# KiCad board Soldered Inkplate 6.kicad_pcb (continued)
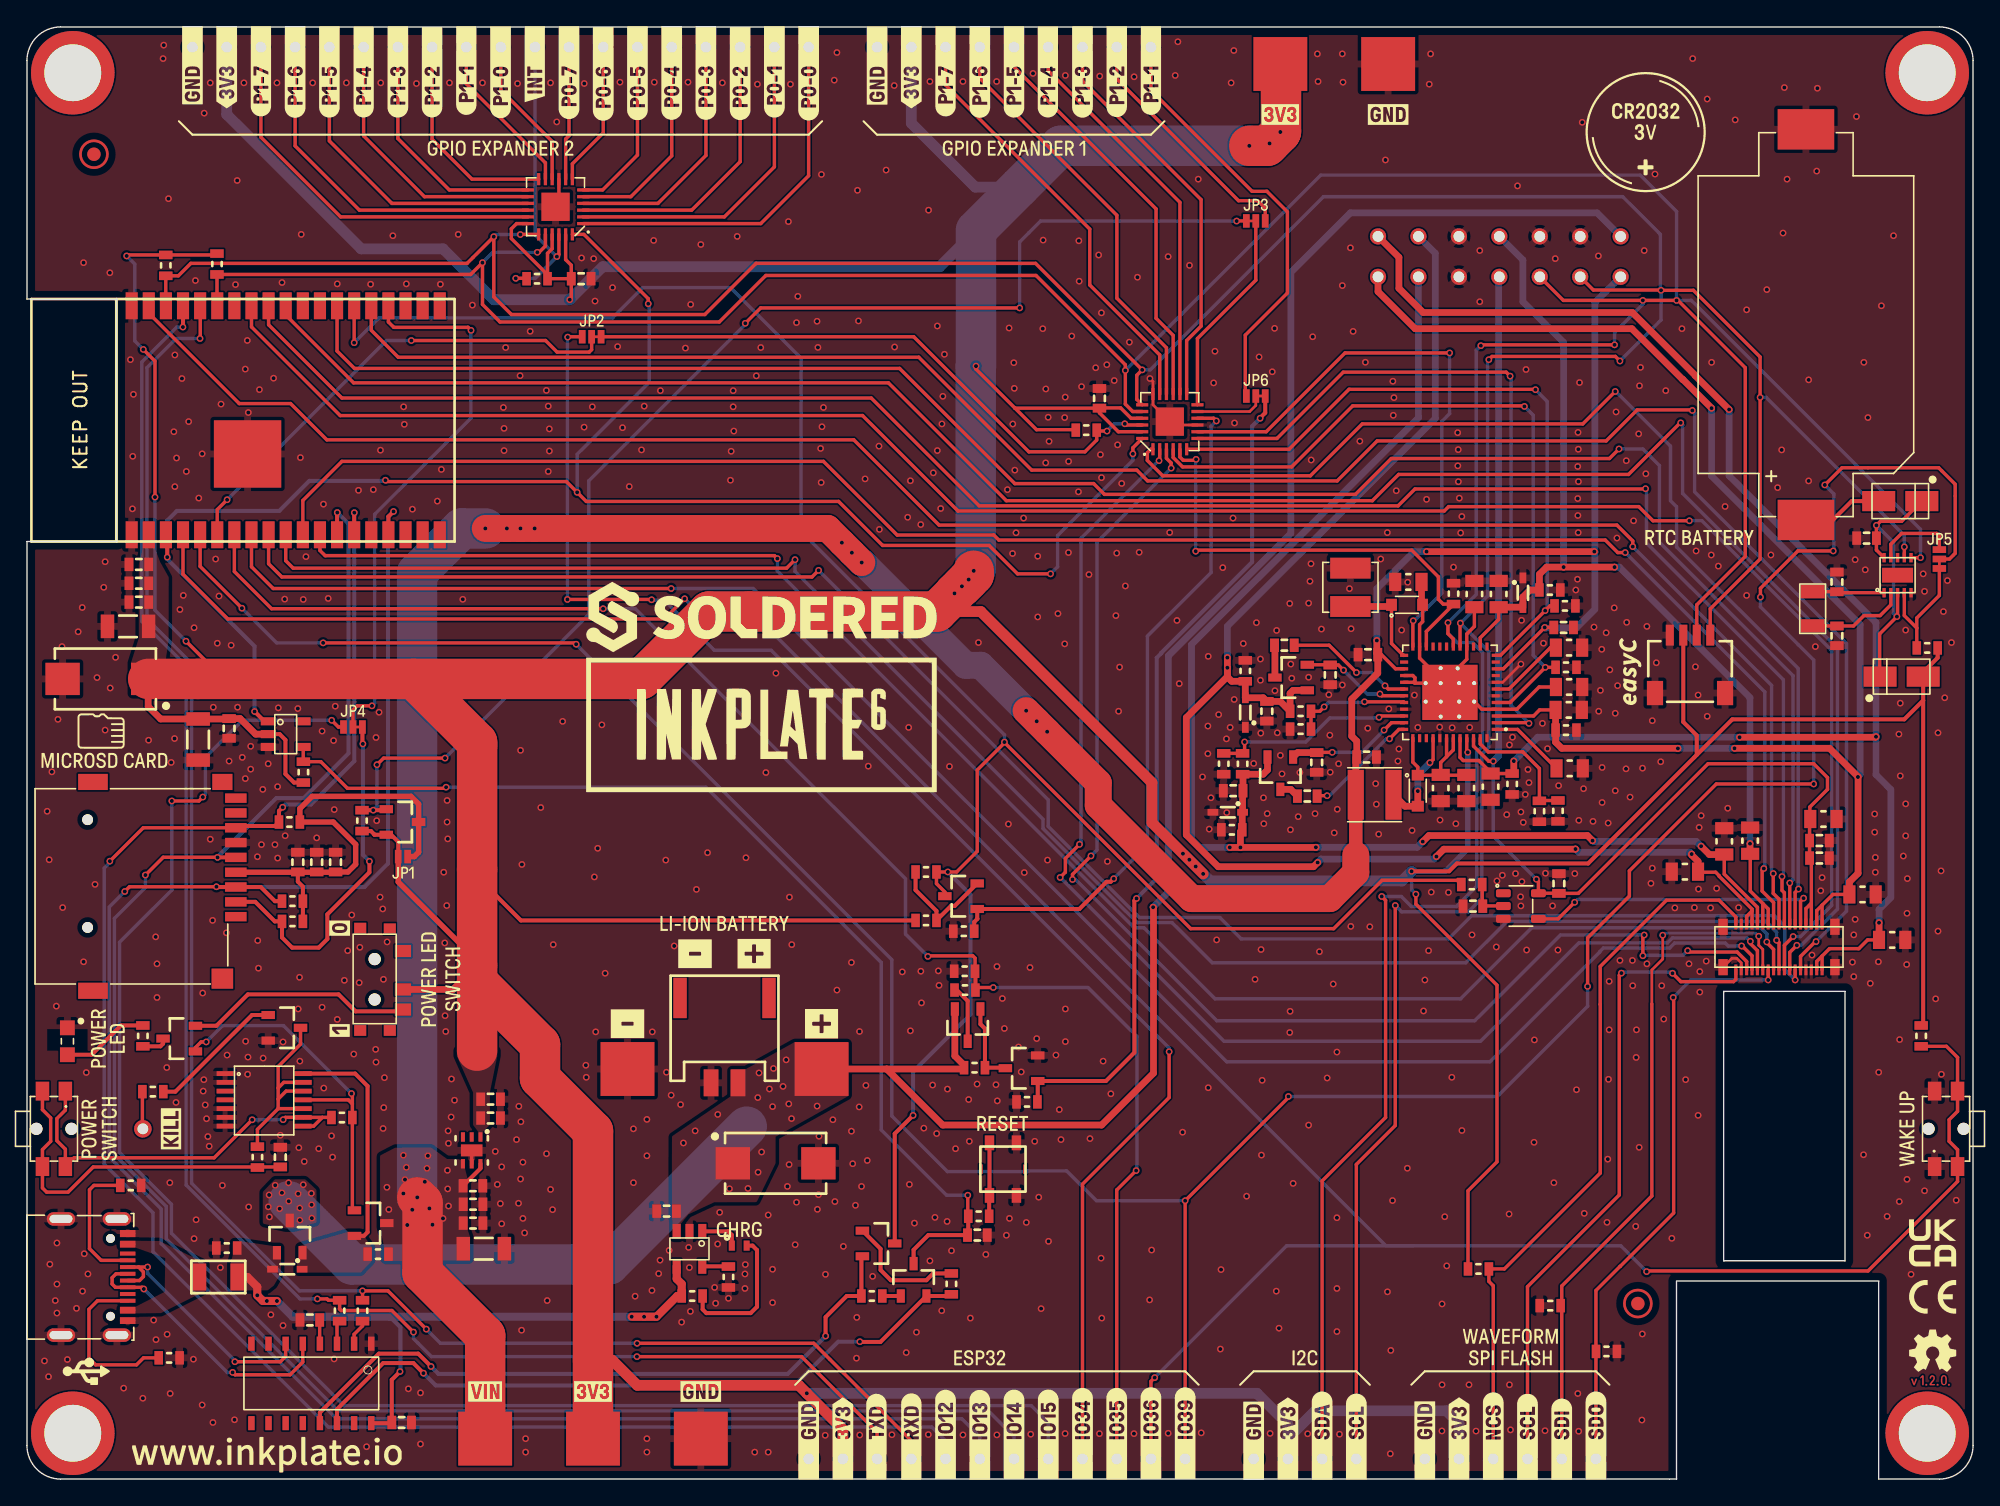
[diagram p0: board, top side]
## Routing (per net, layer and track width the routed paths; a pad name or vN(x,y) marks a point on that pad's centre or on a via; arc(x,y) is an arc through that point) (continued)
/CTRL & COMS/CH_RXD: length 1.8
  Top w0.254: U5.3 23,11.53 R23.1
/CTRL & COMS/CH_TXD: length 1.9
  Top w0.254: 24.28,10.05 24.28,10.75 24.9,11.37 R24.1
/CTRL & COMS/DTR: length 49.6
  Top w0.3: v1(59.26,10.62) 59.26,12.02 60.83,13.59 61.92,13.59 61.92,16.47 Q7.2 ; U5.13 21.73,4.94 26.11,9.31 29.03,9.31 v1(29.98,8.36)
  Bottom w0.3: v1(59.26,10.62) 56.45,7.81 30.53,7.81 v1(29.98,8.36)
/CTRL & COMS/RTS: length 51.5
  Top w0.3: v1(61.8,10.2) 61.82,10.18 63.33,10.18 Q5.2 68.47,13.59 R22.2 ; v1(29.42,7.86) 28.67,8.61 26.43,8.61 23,5.19 U5.14
  Bottom w0.3: v1(61.8,10.2) 60.2,10.2 56.95,6.95 30.33,6.95 v1(29.42,7.86)
/MCU/GPB_3: length 29.8
  Top w0.254: U8.13 86.05,84.52 87.12,85.59 87.12,94.98 78.32,103.78 K19.1
/MCU/GPB_4: length 29.8
  Top w0.254: U8.14 85.55,94.78 75.78,104.55 K23.1
/MCU/GPB_5: length 30.6
  Top w0.254: U8.15 85.05,84.9 83.78,86.17 83.78,94.29 73.24,104.83 K24.1
/MCU/GPB_6: length 31.5
  Top w0.254: K31.1 70.7,103.99 80.87,93.82 80.87,87.66 84.55,83.98 U8.16
/MCU/GPB_7: length 32.3
  Top w0.254: U8.17 84.05,83.45 78.86,88.64 78.86,92.79 68.16,103.49 K32.1
/MCU/INTB: length 45.1
  Top w0.254: v1(81.46,78.34) 81.55,78.25 U8.22 ; v1(80.14,77.8) 79.44,77.8 R45.2 79.38,77.14 78.5,76.26 74.34,76.26 65.8,84.8 JP2.1
  Bottom w0.254: v1(81.46,78.34) 80.68,78.34 v1(80.14,77.8)
/POWER/INT_LDO: length 5.7
  Top w0.254: C4.2 113.04,61.72 109.97,58.65 U1.7
/POWER/TS: length 9.4
  Top w0.254: U1.47 107.84,54.57 108.43,53.98 110.99,53.98 112.22,52.75 R3.2 112.25,50.38 R2.2
/POWER/VB: length 11
  Top w0.254: 105.34,53.62 104.9,53.19 104.9,52.28 ; 105.34,53.62 105.84,54.12 U1.43 ; 105.34,53.62 U1.42 ; U1.37 102.84,53.22 103.2,52.85 D3.1 106.78,52.25 106.8,52.28
/POWER/VB_SW: length 7.7
  Top w0.254: v1(104.1,53.18) 104.34,53.42 U1.40
  Top w0.5: v1(103.2,51.07) D3.2 102.25,49.95 L2.2
  Bottom w0.5: v1(104.1,53.18) 103.2,52.28 v1(103.2,51.07)
/POWER/VN: length 22.6
  Top w0.254: D1.2 103.56,64.89 103.56,63.65 103.34,63.42 U1.23 103.34,60.94 104.08,60.2 U1.49 ; C3.2 112.2,58.8 110.55,57.15 U1.4 107.95,57.15 107.38,57.72 ; 102.91,59.15 102.97,59.08 103.78,59.08 ; 102.91,59.15 102.99,59.23 102.99,59.49 102.83,59.65 U1.28 ; 102.91,59.15 U1.29 ; 107.4,64.72 107.4,63.3 106.84,62.73 U1.16 106.84,60.86 U1.49
  Top w0.5: C9.1 103.47,64.97 D1.2
/POWER/VN_SW: length 7.3
  Top w0.254: U1.25 102.13,61.15 101.25,62.03 D1.1
  Top w0.5: D1.1 101.12,64.78 L1.2
/POWER/VREF: length 5.7
  Top w0.254: C1.2 110.6,55.65 U1.1
/SD_RTC_GPIO/CLKOUT_RTC: length 6
  Top w0.254: JP5.3 141.9,70 141.7,70.2 139.1,70.2 138.3,69.4 U10.9
/SD_RTC_GPIO/X1: length 5.3
  Top w0.254: X1.1 134.29,65.88 C40.2 134.37,65.8 U10.1
/SD_RTC_GPIO/X2: length 7.4
  Top w0.254: X1.2 C41.2 135.53,63.33 136.3,64.1 137.5,64.1 138.3,64.9 U10.2
D+: length 20.4
  Top w0.254: U5.5 20.47,8.69 19.52,7.74 15.44,7.74 v1(15.26,7.92) ; K3.A6 6.61,15.24 6.32,14.95 6.32,14.48 6.56,14.24 K3.B6 8.54,14.24 v1(8.67,14.11)
  Bottom w0.254: v1(8.67,14.11) 14.87,7.91 15.25,7.91 v1(15.26,7.92)
D-: length 18.2
  Top w0.254: U5.6 19.19,9.1 18.8,8.71 v1(15.43,8.71) ; 8.28,15.74 8.29,15.74 v1(8.95,15.74) ; 8.28,15.74 8.64,15.38 8.64,15.03 8.35,14.74 K3.A7 ; 8.28,15.74 K3.B7
  Bottom w0.254: v1(8.95,15.74) 8.95,15.27 15.43,8.79 v1(15.43,8.71)
EPD_CKV: length 134
  Top w0.254: v1(47.8,66.11) 18.27,66.11 16.66,67.72 U12.8 ; K15.28 128,38.85 127.4,39.45 127.22,39.45
  Bottom w0.254: v1(127.22,39.58) 126.24,39.58 126.02,39.79 122.25,39.79 121.89,39.42 116.97,39.42 116.7,39.15 116.7,39.12 108.55,30.97 89.03,30.97 53.89,66.11 v1(47.8,66.11)
EPD_CL: length 22.3
  Top w0.254: v1(114.84,42.82) 113.61,41.59 U7.4 ; K15.9 131.6,42.9 v1(131.82,43.12)
  Bottom w0.254: v1(114.84,42.82) 115.04,43.03 131.72,43.03 v1(131.82,43.12)
EPD_D0: length 146
  Top w0.254: v1(130.8,44.25) K15.13 ; v1(118.13,76.47) 117.42,75.76 101.23,75.76 98.57,73.1 79.95,73.1 79.15,73.9 73.3,73.9 64.75,82.45 24.3,82.45 23.01,83.74 U12.26
  Bottom w0.254: v1(118.13,76.47) 119.9,76.47 121.13,75.24 121.13,69.55 131.04,59.64 131.04,44.49 v1(130.8,44.25)
EPD_D1: length 159.4
  Top w0.254: v1(131.32,39.62) 130.8,39.1 K15.14 ; v1(122.71,78.41) 122.67,78.41 118.84,74.58 101.78,74.58 99.83,72.63 72.67,72.63 63.92,81.38 24.23,81.38 19.2,86.41 U12.29
  Bottom w0.254: v1(131.32,39.62) 131.65,39.62 134.34,42.31 134.34,61.68 122.85,73.17 122.85,78.27 v1(122.71,78.41)
EPD_D2: length 146.3
  Top w0.254: K15.15 130.4,43.53 130.22,43.7 v1(130.22,44.72) ; U12.30 17.93,85.69 23.37,80.25 62.65,80.25 70.65,72.25 101.74,72.25 102.99,73.5 120.08,73.5 v1(120.1,73.52)
  Bottom w0.254: v1(130.22,44.72) 130.32,44.83 130.32,59.33 120.17,69.49 120.17,73.45 v1(120.1,73.52)
EPD_D3: length 154.5
  Top w0.254: U12.31 16.66,85.53 23.24,78.95 62,78.95 69.08,71.87 105.17,71.87 105.49,72.19 119.6,72.19 120.65,71.14 v1(123.35,71.14) ; K15.16 130.4,39.62 v1(131.05,40.28)
  Bottom w0.254: v1(123.35,71.14) 123.36,71.15 124.27,71.15 133.91,61.51 133.91,42.58 131.6,40.28 v1(131.05,40.28)
EPD_D4: length 150.6
  Top w0.254: v1(119.15,69.22) 119.15,69.64 117.97,70.82 67.68,70.82 61.35,77.15 22.25,77.15 19.56,79.84 15.75,79.84 9.04,86.55 U12.37 ; v1(129.57,44.95) 129.57,43.47 130,43.05 K15.17
  Bottom w0.254: v1(129.57,44.95) 129.45,45.08 129.45,58.92 v1(119.15,69.22)
EPD_D5: length 130.8
  Top w0.254: K15.18 130,39.83 v1(129.82,40) ; v1(56.99,68.25) 56.36,67.62 19.75,67.62 19.2,68.17 U12.10
  Bottom w0.254: v1(56.99,68.25) 56.99,67.39 75.39,48.98 75.39,48.29 82.37,41.31 84.97,41.31 87.95,38.33 106.75,38.33 109.82,41.4 129.03,41.4 129.82,40.6 v1(129.82,40)
EPD_D6: length 137
  Top w0.254: K15.19 129.6,42.8 128.75,43.65 128.75,45.2 v1(128.88,45.33) ; v1(118.59,68.78) 118.04,68.78 117.11,69.71 72.11,69.71 71.74,70.08 64.57,70.08 59.1,75.55 23.38,75.55 20.47,72.64 U12.11
  Bottom w0.254: v1(118.59,68.78) 118.6,68.78 128.95,58.43 128.95,45.4 v1(128.88,45.33)
EPD_D7: length 128.1
  Top w0.254: U12.12 21.74,68.94 22.12,68.55 55.46,68.55 v1(55.68,68.33) ; v1(129.1,39.88) 129.1,39.83 129.6,39.33 K15.20
  Bottom w0.254: v1(55.68,68.33) 55.68,67.41 82.16,40.93 82.88,40.93 88.16,35.65 106.38,35.65 111.65,40.93 128.65,40.93 129.1,40.47 v1(129.1,39.88)
EPD_GMODE: length 96.7
  Top w0.254: v1(76.66,44.66) 77.05,45.05 77.05,46.07 v1(78.1,47.12) ; v1(84,75.6) 84.05,75.65 U8.2 ; K15.26 128.4,39.22 127.88,39.75 v1(127.88,39.92)
  Bottom w0.254: v1(78.1,47.12) 78.21,47.23 78.21,69.83 83.97,75.6 v1(84,75.6) ; v1(127.88,39.92) 127.63,40.17 122.1,40.17 121.73,39.8 115.15,39.8 107.85,32.5 88.82,32.5 76.66,44.66 v1(76.66,44.66)
EPD_LE: length 154.4
  Top w0.254: v1(132.75,39.9) 132.7,39.9 131.6,38.8 K15.10 ; v1(123.57,79.33) 123.53,79.37 119.48,79.37 117.18,77.07 100.19,77.07 97.22,74.1 83.15,74.1 82.35,74.9 74.55,74.9 66.17,83.28 27.55,83.28 25.55,85.28 U12.24
  Bottom w0.254: v1(132.75,39.9) 135.01,42.16 135.01,62.02 123.74,73.29 123.74,79.16 v1(123.57,79.33)
EPD_OE: length 84.2
  Top w0.254: v1(117.85,80.74) 115.44,78.33 99.08,78.33 95.23,74.48 84.27,74.48 83.13,75.62 83.13,76.19 83.39,76.45 U8.1 ; K15.11 131.2,43.55 v1(131.45,43.8)
  Bottom w0.254: v1(117.85,80.74) 117.89,80.74 121.95,76.68 121.95,72.63 122.4,72.18 122.4,69.2 131.43,60.17 131.43,43.83 v1(131.45,43.8)
EPD_SPH: length 133.9
  Top w0.254: v1(58.74,67.46) 58.25,66.97 18.91,66.97 17.93,67.95 U12.9 ; v1(131.2,37.05) K15.12
  Bottom w0.254: v1(131.2,37.05) 130.43,37.82 130.43,41.05 129.65,41.83 107.2,41.83 105.48,40.1 90.1,40.1 88.51,41.69 82.53,41.69 75.78,48.45 75.78,50.42 v1(58.74,67.46)
EPD_SPV: length 94.9
  Top w0.254: v1(78.95,46.26) 77.58,44.89 v1(77.58,44.51) ; v1(123.22,39.22) 123.32,39.12 126.9,39.12 127.6,38.42 K15.30 ; U8.3 84.55,75.78 84.9,75.43 v1(84.9,75.05) ; v1(119.9,38.85) 119.9,40.29 v1(120,40.39)
  Bottom w0.254: v1(119.9,38.85) 119.93,38.88 122.88,38.88 v1(123.22,39.22) ; v1(77.58,44.51) 77.8,44.51 88.28,34.03 107.43,34.03 113.79,40.39 v1(120,40.39) ; v1(84.9,75.05) 79.4,69.55 79.4,46.71 v1(78.95,46.26)
GPIO15: length 125.9
  Top w0.254: v1(10.75,50.34) 12.76,50.34 v1(13.05,50.63) ; JP4.3 23.11,55.83 v1(22.61,56.33)
  Bottom w0.254: v1(22.61,56.33) 15.99,56.33 13.24,53.58 13.24,50.82 v1(13.05,50.63) ; v1(10.75,50.34) 10.75,43.73 6.87,39.85 6.87,24.25 10.72,20.4 10.72,18.25 23.52,5.45 74.52,5.45 75.78,4.19 K29.1
GPIO_0: length 161.1
  Top w0.254: v1(24.28,84.36) U12.25 ; Q9.3 68.11,43.58 67.48,44.2 R28.1 68.98,45.07 70.51,46.6 70.51,52.63 72.53,54.65 v1(72.53,54.71) 72.53,54.68 86.35,40.86 96.96,40.86 100.55,44.45 106.12,44.45 R50.1
  Top w0.3: Q7.3 64.39,25.64 v1(65.75,27)
  Bottom w0.254: v1(24.28,84.36) 26.12,86.2 43.45,86.2 45.7,88.45 52.2,88.45 57.44,83.21 57.44,70.34 72.53,55.25 v1(72.53,54.71)
  Bottom w0.3: v1(65.75,27) 65.75,30.23 70.01,34.49 70.01,43.39 v1(68.33,45.07)
GPIO_0_MOSFET: length 51.4
  Top w0.254: U8.10 88.05,78.75 v1(88.25,78.55)
  Top w0.3: R29.2 70.28,41.36 70.52,41.59 70.51,41.6 Q9.1 78.09,42.32 80.11,44.34 80.41,44.34 v1(80.64,44.57)
  Bottom w0.254: v1(88.25,78.55) 87.86,78.16 87.86,67.3 83.14,62.58 83.14,47.07 v1(80.64,44.57)
GPIO_36: length 202.2
  Top w0.254: v1(120.18,15.4) 120.23,15.45 136.61,15.45 143.25,22.09 SW3.2 143.25,24.45 142.62,25.07 142.62,26.68 143.25,27.3 SW3.2 143.25,31.3 142.43,32.12 R31.1 ; v1(83.68,7.53) 83.4,7.25 K28.1 ; v1(48.8,65.35) 47.3,63.85 14.9,63.85 11.58,67.17 U12.4
  Bottom w0.254: v1(120.18,15.4) 118.26,17.32 102.88,17.32 ; v1(48.8,65.35) 49.7,64.45 53.7,64.45 100.83,17.32 102.88,17.32 ; 102.88,17.32 93.47,17.32 v1(83.68,7.53)
GPIO_39: length 229.6
  Top w0.254: v1(133.4,73.8) 134.68,75.08 141.85,75.08 143.07,73.85 143.07,68.72 142.65,68.3 JP5.2 ; v1(15.95,64.65) 12.85,67.75 U12.5 ; v1(128.62,65.47) 128.62,66.12 131.4,68.9 v1(134.03,68.9) ; v1(93.6,28.4) 93.6,28.32 v1(85.94,20.66) K27.1 ; v1(132.57,51.6) 125.35,51.6 118.9,45.15 118.9,43.28 115.8,40.17 v1(115.8,36.58) ; v1(21.97,62.08) 40.65,62.08 v1(40.75,61.97)
  Bottom w0.254: v1(93.6,28.4) 109.1,28.4 115.8,35.1 v1(115.8,36.58) ; v1(128.62,65.47) 128.62,64.75 132.57,60.8 v1(132.57,51.6) ; v1(134.03,68.9) 134.07,68.95 134.07,73.12 v1(133.4,73.8) ; v1(85.94,20.66) 79.36,20.66 77.15,22.88 74.28,22.88 74.22,22.82 68.3,22.82 64.17,26.95 64.17,38.55 v1(40.75,61.97) ; v1(21.97,62.08) 18.53,62.08 v1(15.95,64.65)
I2C_SCL: length 305.3
  Top w0.254: v1(36.61,92.39) 36.62,92.4 U9.19 ; K5.1 98.64,23.36 101.53,26.25 v1(101.53,42.58) ; K8.1 124.9,64.6 128.6,68.3 128.6,83.3 123.65,88.25 v1(121.25,88.25) 121.23,88.27 116.23,88.27 K1.6 ; v1(118.2,83) 117.86,83.34 108.71,83.34 v1(108.47,83.1) ; U8.19 82.35,80.15 82.35,81.94 v1(82.75,82.34) 74.84,90.25 54.1,90.25 50.3,86.45 35.95,86.45 34.64,87.76 v1(34.64,92.23) 32.66,90.25 12.16,90.25 11.23,89.33 R1.1 10.3,87.11 U12.36 ; U1.17 106.34,63.52 v1(106.36,63.54) ; v1(139.3,69.2) U10.7
  Bottom w0.254: v1(128.6,80.3) 129.05,80.3 139.3,70.05 v1(139.3,69.2) ; v1(34.64,92.23) 34.8,92.39 v1(36.61,92.39) ; v1(108.47,83.1) 108.38,83.01 108.38,65.56 v1(106.36,63.54) 108.47,61.43 108.47,54.33 107.95,53.81 107.95,43.11 106.95,42.11 102,42.11 v1(101.53,42.58) ; v1(118.2,83) 121.25,86.05 v1(121.25,88.25) 121.2,88.3 121.2,92.4 118.4,95.2 96.2,95.2 83.34,82.34 v1(82.75,82.34)
I2C_SDA: length 321.2
  Top w0.254: U1.18 105.84,62.36 105.44,62.76 v1(105.44,63.57) ; U8.20 82.05,79.25 81.5,79.8 v1(81.5,82.3) 81.5,82.72 74.87,89.35 54.83,89.35 51.38,85.9 35.1,85.9 33.8,87.2 v1(33.8,90.3) 32.92,89.42 R4.1 14.1,87.12 U12.33 ; K1.5 114,87.5 v1(119.9,87.5) v1(122.4,87.5) 122.5,87.5 127.5,82.5 127.5,68.5 123.9,64.9 K8.2 ; U9.20 38.47,91.54 38,91.07 v1(37.87,91.07) ; v1(117.8,84.2) 107.94,84.2 v1(107.88,84.14) ; v1(100.53,43.25) 100.81,42.97 100.81,26.84 96.1,22.13 K9.1 ; v1(140.5,68.4) U10.6
  Bottom w0.254: v1(119.9,87.5) 119.9,87.22 117.8,85.12 v1(117.8,84.2) ; v1(107.88,84.14) 107.54,83.8 107.54,65.67 v1(105.44,63.57) 105.44,62.78 106.13,62.09 107.27,62.09 108.01,61.36 108.01,54.4 107.57,53.97 107.57,44.01 106.07,42.51 102.72,42.51 101.98,43.25 v1(100.53,43.25) ; v1(81.5,82.3) 96,96.8 119.7,96.8 122.4,94.1 v1(122.4,87.5) 123.5,87.5 140.5,70.5 v1(140.5,68.4) ; v1(33.8,90.3) 34.57,91.07 v1(37.87,91.07)
INT: length 54.2
  Top w0.254: v1(110.05,81.88) 109.76,82.17 97.67,82.17 92.75,77.25 U8.7 ; U1.2 111.4,56.15 v1(111.45,56.1)
  Bottom w0.254: v1(111.45,56.1) 110.12,57.43 110.12,81.81 v1(110.05,81.88)
IO34: length 36.2
  Top w0.254: v1(14.85,72.7) 14.12,71.97 U12.6 ; v1(28.52,84.52) 38.48,84.52 39.34,83.66 41.72,83.66 41.9,83.84 JP2.2
  Bottom w0.254: v1(28.52,84.52) 26.67,84.52 v1(14.85,72.7)
MANUAL_RST: length 79.6
  Top w0.254: U6.4 20.5,53.27 R46.1 21.81,53.25 23.78,51.28 31.02,51.28 v1(31.1,51.36) ; v1(69.81,21.07) 69.81,19.54 R30.2
  Top w0.3: R30.2 69.84,18.16 C28.2 66.88,18.11 65.79,17.02 Q5.3
  Bottom w0.254: v1(31.1,51.36) 50.38,51.36 63.39,38.35 63.39,25.92 68.24,21.07 v1(69.81,21.07)
PWR_GOOD: length 44.1
  Top w0.254: U1.24 102.84,63.69 v1(102.86,63.72) ; v1(105.56,83.6) 97.8,83.6 91.95,77.75 U8.8
  Bottom w0.254: v1(102.86,63.72) 102.94,63.72 104.98,65.76 104.98,78.51 105.56,79.09 v1(105.56,83.6)
PWRUP: length 34.5
  Top w0.254: U1.22 103.84,62.92 105.85,64.94 R7.1 105.09,64.95 104.73,65.31 104.73,66.98 102.75,68.96 86.8,68.96 v1(86.72,68.88) ; v1(86.75,75.7) 86.68,75.63 85.79,75.63 85.55,75.87 U8.5
  Bottom w0.254: v1(86.72,68.88) 86.72,75.67 v1(86.75,75.7)
RST: length 126.6
  Top w0.254: v1(46.1,87.25) 46.1,87.62 41.33,92.4 U9.24 ; v1(26.6,74.15) 26.7,74.05 40.03,74.05 v1(40.83,73.25) 41.5,72.58 60.22,72.58 63.49,69.31 71.39,69.31 73.5,67.2 v1(75.95,67.2) ; U8.24 82.06,76.56 v1(82.06,76.11)
  Top w0.3: v1(16.89,56.98) 17.62,56.25 U6.1 ; v1(10.41,68.44) 10.41,70 U12.3
  Bottom w0.254: v1(75.95,67.2) 76.47,67.72 76.47,70.04 82.06,75.63 v1(82.06,76.11) ; v1(40.83,73.25) 40.83,76.08 46.17,81.42 46.17,87.17 v1(46.1,87.25)
  Bottom w0.3: v1(16.89,56.98) 16.89,61.82 10.41,68.3 v1(10.41,68.44) 10.4,68.45 10.4,71.15 11.12,71.88 18.72,71.88 20.95,74.1 26.55,74.1 v1(26.6,74.15)
RXD: length 132.6
  Top w0.254: v1(45.27,10.08) 58.38,10.08 65.62,2.84 K21.1 ; v1(29.63,11.13) 26.79,13.97 v1(24.9,13.97) R24.2 ; U12.34 12.86,87.09 12.86,84.69 v1(12.84,84.67)
  Bottom w0.254: v1(12.84,84.67) 11.07,84.67 8.9,82.5 8.9,63.86 12.22,60.54 12.22,21.96 20.21,13.97 v1(24.9,13.97) ; v1(45.27,10.08) 30.68,10.08 v1(29.63,11.13)
SD_ENABLE: length 95.3
  Top w0.254: v1(89.76,93.39) 89.77,93.4 JP3.1 ; v1(53.3,85.8) 54.44,86.94 v1(73.66,86.94) ; v1(31.02,53.52) 26.46,53.52 v1(25.97,53.03)
  Top w0.3: R44.2 v1(25.69,49.66) 26.58,49.66 Q10.1
  Bottom w0.254: v1(73.66,86.94) 73.66,91.84 75.21,93.39 v1(89.76,93.39) ; v1(53.3,85.8) 53.3,85.72 41.69,74.11 41.69,64.19 v1(31.02,53.52) ; v1(25.97,53.03) 25.97,49.93 v1(25.69,49.66)
SPI_CS: length 41.3
  Top w0.254: U12.23 26.82,85.9 27.22,85.5 32.72,85.5 v1(32.95,85.28) ; v1(25.6,57.4) 24.5,57.4 24.19,57.09 JP4.2
  Bottom w0.254: v1(32.95,85.28) 32.94,85.27 32.94,78.76 25.8,71.62 25.8,57.6 v1(25.6,57.4)
SPI_MISO: length 138.4
  Top w0.254: K13.7 8.63,48.35 v1(6.15,45.87)
  Top w0.3: K13.7 15.63,48.48 18.41,48.48 R49.1 18.7,49.6 v1(18.97,49.88) ; v1(24.29,71.74) 24.28,71.73 U12.14
  Bottom w0.254: K25.1 68.16,2.84 67.14,3.86 22.37,3.86 9.35,16.88 9.35,19.77 5.73,23.39 5.73,45.35 6.15,45.77 v1(6.15,45.87)
  Bottom w0.3: v1(24.29,71.74) 24.29,53.3 21.06,50.08 19.17,50.08 v1(18.97,49.88)
SPI_MOSI: length 150.4
  Top w0.254: v1(14.06,43.97) 7.61,43.97 v1(7.26,43.62)
  Top w0.3: v1(27.2,71.83) 26.82,71.45 U12.16 ; R48.1 18.4,42.9 17.35,43.95 K13.3 14.08,43.95 v1(14.06,43.97)
  Bottom w0.254: v1(7.26,43.62) 6.11,42.47 6.11,23.9 9.96,20.05 9.96,17.48 22.97,4.47 69.37,4.47 70.7,3.14 K26.1
  Bottom w0.3: v1(27.2,71.83) 26.79,71.42 26.79,45.7 25.04,43.95 14.08,43.95 v1(14.06,43.97)
SPI_SCK: length 140.3
  Top w0.254: v1(8.79,44.84) 10.11,46.16 14.13,46.16 v1(14.14,46.15)
  Top w0.3: U12.13 23.01,71.73 v1(23.03,71.75) ; v1(14.14,46.15) K13.5
  Bottom w0.254: v1(8.79,44.84) 8.79,43.92 6.49,41.62 6.49,24.09 10.34,20.24 10.34,17.82 23.1,5.06 71.34,5.06 73.24,3.16 K22.1
  Bottom w0.3: v1(14.14,46.15) 14.14,46.19 18.5,50.55 20.53,50.55 23.86,53.88 23.86,70.92 v1(23.03,71.75)
SW_IN: length 17.1
  Top w0.3: U4.14 24.35,30.1 25.28,29.17 25.28,18.32 25,18.05 Q8.2
SW_OUT_D: length 27.2
  Top w0.254: Q2.1 12.5,32.03 12.92,32.45 v1(13.3,32.45) ; 24.14,27.85 23.85,28.15 U4.11 ; 24.14,27.85 24.14,20.1 Q8.1 ; 24.14,27.85 24.14,28.56 v1(24.08,28.62)
  Bottom w0.254: v1(13.3,32.45) 14.51,33.66 19.04,33.66 v1(24.08,28.62)
TXD: length 129.7
  Top w0.254: K20.1 63.08,3.48 57.47,9.09 v1(45.26,9.09) ; v1(28.68,10.91) 27.08,12.51 23.31,12.51 23.19,12.63 23.2,12.64 R23.2 22.36,13.28 22.27,13.38 v1(21.55,13.38)
  Top w0.3: v1(11.57,85.52) 11.58,85.53 U12.35
  Bottom w0.254: v1(28.68,10.91) 28.68,10.43 30.02,9.09 v1(45.26,9.09) ; v1(11.57,85.52) 11.12,85.52 8.52,82.92 8.52,63.67 11.81,60.38 11.81,21.83 20.27,13.38 v1(21.55,13.38)
V_BAT: length 119.9
  Top w0.254: U12.7 15.39,67.37 18.15,64.61 v1(42.75,64.61) ; v1(71.7,36.49) 70.56,36.49 R16.1 ; v1(82.3,22.9) 80.86,21.46 K18.1 ; R17.2 70.35,38.67 70.18,38.84 66.89,38.84 v1(66.85,38.8)
  Top w0.3: R16.1 70.38,37.67 R17.2
  Bottom w0.254: v1(82.3,22.9) 82.36,22.96 82.36,32.86 78.73,36.49 v1(71.7,36.49) ; v1(66.85,38.8) 65.19,40.46 65.19,44.56 45.14,64.61 v1(42.75,64.61)
V_BAT_MOS: length 62.4
  Top w0.3: R15.2 75,28.03 Q3.1 80.06,29.55 82.17,31.66 82.17,42.94 v1(82.33,43.1) ; v1(91.5,78.75) 91.5,78.78 91.88,79.16 JP6.1
  Bottom w0.3: v1(91.5,78.75) 90.91,78.16 90.91,68.08 84.17,61.34 84.17,61.31 83.83,60.97 83.83,44.6 v1(82.33,43.1)
VCOM: length 74
  Top w0.254: 127.87,46.41 127.87,43.66 128.8,42.72 ; 128.8,42.72 K15.23 ; 128.8,42.72 129.2,42.33 K15.21 ; U1.14 107.84,62.45 109.2,63.82 109.2,64.72 ; 110.97,64.72 D4.1
  Top w0.5: v1(127.85,47.17) 127.85,46.42 C54.2 ; 109.2,64.72 110.97,64.72 ; D4.1 111,65.48 111.52,66 R37.2 112.22,67.17 112.76,67.7 v1(114.02,67.7) v1(117.8,67.7)
  Bottom w0.5: v1(114.02,67.7) 114.02,84.38 111,87.4 111,90.5 K1.11 ; v1(117.8,67.7) 118.16,67.7 127.85,58.01 v1(127.85,47.17)
VCOM_CTRL: length 50.4
  Top w0.254: U8.6 93.65,76.45 98.1,80.9 111.9,80.9 v1(111.93,80.87) ; U1.12 109.33,61.15 v1(112.65,64.47) 113,64.82 R6.1
  Bottom w0.254: v1(112.65,64.47) 112.8,64.62 112.8,80 v1(111.93,80.87)
VNEG: length 106.3
  Top w0.254: 133.2,42.6 134,43.4 C39.2 ; 133.2,42.6 K15.1 ; 133.2,42.6 132.8,42.2 K15.3 ; C2.2 112.24,57.1 111.79,56.65 U1.3
  Top w0.5: C39.2 135.22,44.33 135.87,44.97 135.87,52.13 133.75,54.25 v1(126.7,54.25) ; v1(122.5,54.24) 122.49,54.25 113.88,54.25 113.43,54.7 R8.1 C2.2 ; v1(125,79.5) 122.87,81.63 122.85,81.63 119.08,85.4 103,85.4 100.25,88.15 K1.1
  Bottom w0.5: v1(135.86,52.12) 136.02,52.28 136.02,63.44 125,74.46 v1(125,79.5) ; v1(126.7,54.25) 122.51,54.25 v1(122.5,54.24)
VPOS: length 118.8
  Top w0.254: 133.2,38.83 132.8,38.42 K15.4 ; 133.2,38.83 133.75,39.38 135.93,39.38 136.57,40.03 C51.2 ; 133.2,38.83 K15.2 ; R20.1 C13.2 108.6,52.47 107.73,53.34 106.57,53.34 106.34,53.58 U1.44
  Top w0.5: K1.14 101.8,90.7 101.8,88.4 103.6,86.6 119.12,86.6 123.79,81.93 123.79,81.91 v1(126.3,79.4) ; v1(137.43,41.3) C51.2 ; R20.1 110.32,52.5 v1(110.32,53.3) ; v1(127.07,55.07) 137.16,55.07 v1(137.2,55.11)
  Bottom w0.5: v1(137.43,41.3) 137.43,42.3 138.3,43.17 138.3,51.19 137.2,52.29 v1(137.2,55.11) 137.2,63.58 126.3,74.48 v1(126.3,79.4) ; v1(110.32,53.3) 112.09,55.07 v1(127.07,55.07)
VUSB: length 51
  Top w0.3: U5.16 27.02,4.15 C25.2 27.07,7.37 v1(27.68,7.98)
  Top w0.6: F1.1 16.36,15 17.09,14.27 v1(17.09,13.64) 17.51,13.22 v1(17.8,13.22) v1(18.55,13.22) ; U2.4 48.21,14.86 48.58,14.49 R9.1 48.25,13.59 v1(46.71,12.05) v1(45.79,12.05) v1(44.87,12.05)
  Bottom w0.3: 26.93,12.05 27.71,11.27 27.71,8.01 v1(27.68,7.98)
  Bottom w0.6: v1(17.09,13.64) 17.51,13.22 v1(17.8,13.22) v1(18.55,13.22) 19.72,12.05 v1(44.87,12.05) v1(45.79,12.05) v1(46.71,12.05)
WAKEUP: length 54.4
  Top w0.254: R5.1 v1(112.66,60.26) 110.05,57.65 U1.5 ; v1(111.11,79.63) 111.07,79.67 98.37,79.67 93.84,75.14 85.74,75.14 85.05,75.83 U8.4
  Bottom w0.254: v1(111.11,79.63) 111.76,78.98 111.76,61.16 v1(112.66,60.26)
Net-(C16-Pad1): length 2.4
  Top w0.5: D6.3 92.6,61.87 C16.1
Net-(C17-Pad2): length 1.5
  Top w0.5: C17.2 93.77,51.2 D9.3
Net-(C26-Pad2): length 1.8
  Top w0.254: U5.4 21.72,10.06 C26.2
Net-(C27-Pad2): length 26.2
  Top w0.254: SW1.2 1.15,27.42 1.76,26.81 1.76,25.07 1.15,24.46 SW1.2 1.15,21.61 1.46,21.3 3.05,21.3 4.92,23.17 C27.2
Net-(C35-Pad2): length 3
  Top w0.254: U7.2 109.54,42.55 108.25,42.55 107.98,42.82 R50.2
Net-(D7-Pad1): length 10.5
  Top w0.3: D7.1 53.84,17.33 54.17,17 54.17,12.79 53.7,12.32 50.41,12.32 50.14,12.59 R9.2
Net-(D7-Pad2): length 3.1
  Top w0.3: U2.1 52.04,18.39 52.3,18.13 D7.2
Net-(D8-Pad1): length 6.5
  Top w0.3: D8.1 4.8,31.5 6.97,33.67 R14.2
Net-(D11-Pad1): length 6
  Top w0.3: K14.+ 134,71.2 135.4,72.6 D11.1
Net-(JP2-Pad3): length 112.2
  Top w0.254: K17.1 78.32,21.9 84.75,28.32 v1(84.75,31.72) ; v1(40.12,84.78) 40.15,84.8 JP2.3 ; v1(40.1,65.3) 46.33,65.3 v1(46.35,65.28)
  Bottom w0.254: v1(84.75,31.72) 84.75,32 55.22,61.53 51,61.53 47.28,65.25 46.38,65.25 v1(46.35,65.28) ; v1(40.1,65.3) 40.1,84.75 v1(40.12,84.78)
Net-(JP3-Pad2): length 15.4
  Top w0.254: U8.12 86.85,84.67 91.18,89 JP3.2
Net-(JP3-Pad3): length 18.3
  Top w0.254: K33.1 80.86,103.94 89.9,94.9 91.32,94.9 91.88,94.34 JP3.3
Net-(JP4-Pad1): length 26.4
  Top w0.3: JP4.1 24.89,54.61 v1(24.92,54.58) ; K13.2 16.94,42.85 18.39,41.4 R47.1 18.92,40.2 19.68,39.45 21.65,39.45 22.29,40.09 22.29,41.92 25.41,45.04 v1(25.41,45.86)
  Bottom w0.3: v1(25.41,45.86) 24.93,46.34 24.93,54.57 v1(24.92,54.58)
Net-(JP5-Pad1): length 9.6
  Top w0.254: 140.22,63.17 139.3,64.1 U10.4 ; 140.22,63.17 R33.1 ; 140.22,63.17 140.22,63.92 141.9,65.6 JP5.1
Net-(JP6-Pad2): length 5.2
  Top w0.2: U8.11 90.72,79.25 91.18,79.7 JP6.2
Net-(JP6-Pad3): length 32.1
  Top w0.254: JP6.3 90.4,80.48 90.4,84.92 93.53,88.05 93.53,94.08 92,95.6 90.9,95.6 83.4,103.1 K34.1
Net-(K3-PadA5): length 10
  Top w0.254: R13.1 4.97,21.8 4.64,21.47 4.64,17.1 5.5,16.24 K3.A5
Net-(K3-PadB5): length 12.4
  Top w0.254: 9.78,9 8.65,9 8.13,8.48 5.09,8.48 4.6,8.97 4.6,12.6 5.24,13.24 K3.B5
Net-(K4-Pad1): length 2.8
  Top w0.254: K4.1 8.56,26.03 R21.2
Net-(K10-Pad1): length 45
  Top w0.254: v1(129.2,37.05) K15.22 ; K10.1 116.42,14 118.21,15.79 118.22,15.79 122.19,19.75 122.19,35.72 v1(122.15,35.75)
  Bottom w0.254: v1(129.2,37.05) 123.45,37.05 v1(122.15,35.75)
Net-(K11-Pad1): length 51.9
  Top w0.2: 120.56,35.27 120.56,37.79 121.38,38.6 v1(121.38,40.38) ; K15.24 128.8,39.33 128.5,39.62 v1(128.5,40.3)
  Top w0.254: K11.1 113.88,14.33 120.56,21.01 120.56,35.27
  Bottom w0.2: v1(121.38,40.38) 121.53,40.53 128.28,40.53 v1(128.5,40.3)
Net-(K12-Pad1): length 53.9
  Top w0.254: K15.33 126.8,41.72 125.55,42.97 121.66,42.97 116.74,38.06 116.74,35.24 116.74,35.23 116.74,22.72 109.62,15.6 R36.2 108.47,14.68 108.8,14.35 K12.1
Net-(K15-Pad34): length 48.5
  Top w0.254: K15.34 126.8,37.1 126.63,36.93 122.72,36.93 v1(122.1,37.55) ; v1(118.31,37.56) 118.15,37.4 118.15,21.09 111.34,14.28 K16.1
  Bottom w0.254: v1(122.1,37.55) 122.1,37.56 122.02,37.64 118.39,37.64 v1(118.31,37.56)
Net-(K35-Pad1): length 27.8
  Top w0.254: U9.1 54.45,93.2 58,96.75 K35.1
Net-(K36-Pad1): length 24.6
  Top w0.254: U9.2 51.75,93.7 55.46,97.41 K36.1
Net-(K37-Pad1): length 21.6
  Top w0.254: K37.1 52.92,97.8 49.32,94.2 U9.3
Net-(K38-Pad1): length 18.6
  Top w0.254: U9.4 46.82,94.7 50.38,98.26 K38.1
Net-(K39-Pad1): length 15.9
  Top w0.254: U9.5 44.81,95.2 47.84,98.23 K39.1
Net-(K40-Pad1): length 13.1
  Top w0.254: U9.6 42.71,95.7 45.3,98.29 K40.1
Net-(K41-Pad1): length 10.7
  Top w0.254: U9.7 40.47,97.64 42.76,99.93 K41.1
Net-(K42-Pad1): length 9.9
  Top w0.254: U9.8 39.97,99.48 40.22,99.73 K42.1
Net-(K43-Pad1): length 11.4
  Top w0.254: K43.1 35.16,103.11 38.97,99.3 U9.10
Net-(K44-Pad1): length 12.2
  Top w0.254: K44.1 32.6,103.58 38.47,97.71 U9.11
Net-(K45-Pad1): length 16
  Top w0.254: U9.12 33.02,96.5 30.06,99.46 K45.1
Net-(K46-Pad1): length 18
  Top w0.254: K46.1 27.52,99.52 31.34,95.7 U9.13
Net-(K47-Pad1): length 20.6
  Top w0.254: K47.1 24.98,99.71 29.49,95.2 U9.14
Net-(K48-Pad1): length 23.6
  Top w0.254: K48.1 22.44,99.34 27.08,94.7 U9.15
Net-(K49-Pad1): length 26.6
  Top w0.254: K49.1 19.9,98.97 24.67,94.2 U9.16
Net-(K50-Pad1): length 28.9
  Top w0.254: K50.1 17.36,99.61 23.27,93.7 U9.17
Net-(K53-Pad1): length 22.5
  Top w0.254: 37.08,89.11 37.05,89.14 v1(36.27,89.14) ; v1(39.32,90.75) 39.47,90.9 U9.22
  Bottom w0.254: K53.1 37.7,92.37 v1(39.32,90.75) 37.71,89.14 v1(36.27,89.14)
Net-(Q1-Pad1): length 6
  Top w0.3: Q3.3 72.56,30.54 R11.1 71.09,33.44 70.75,33.77 Q1.1
Net-(Q1-Pad3): length 4.3
  Top w0.3: Q1.3 69.8,35.5 69,36.3 R16.2 68.85,36.28
Net-(Q2-Pad2): length 16.8
  Top w0.3: 27.77,34.72 24.38,34.72 23.12,35.98 16.39,35.98 14.06,33.65 Q2.2
Net-(Q2-Pad3): length 2
  Top w0.3: R14.1 9.91,32.12 10.1,32.32 Q2.3
Net-(Q5-Pad1): length 1.4
  Top w0.3: Q5.1 R19.1
Net-(Q6-Pad1): length 10.1
  Top w0.3: Q6.1 16.7,34.45 11.01,28.76 R21.1
Net-(Q6-Pad3): length 16.1
  Top w0.254: 18.64,29.03 19.06,29.45 U4.13 ; 18.64,29.03 18.64,28.21 ; 18.64,29.03 18.64,30.63 20.3,32.29 Q6.3 ; 18.64,28.21 19.23,28.8 U4.12 ; 18.64,28.21 18.64,27.5 ; R26.2 17.1,25.96 18.64,27.5 ; 18.64,27.5 U4.10
Net-(Q7-Pad1): length 9.3
  Top w0.3: 68.59,15.26 67.25,15.26 66.74,14.76 64.1,14.76 63.34,15.52 63.34,17.09 Q7.1
Net-(Q9-Pad2): length 8.4
  Top w0.3: 65.94,45.07 65.94,43.72 67.48,42.17 R27.1 68.56,42.55 68.84,42.55 Q9.2
Net-(R10-Pad1): length 1.9
  Top w0.3: R10.1 52.03,15.79 U2.5
Net-(R25-Pad1): length 29.1
  Top w0.254: v1(16.71,26.67) 13.89,23.85 3.5,23.85 SW1.1 2.85,24.49 2.22,25.12 2.22,26.76 2.85,27.39 SW1.1 ; 21.92,26.85 21.27,26.2 U4.8 ; 21.92,26.85 U4.9 19.18,26.85 v1(19.01,26.68) ; 21.92,26.85 22.58,26.85 R25.1
  Bottom w0.254: v1(16.71,26.67) 17.15,26.67 17.16,26.68 v1(19.01,26.68)
Net-(R30-Pad1): length 5.5
  Top w0.3: R30.1 71.4,21.03 SW2.2 SW2.2

## Copper pours and planes (outline as drawn; the poured copper is in the pictures)
3V3 on Top: 9.49,69.1 9.89,68.07 10.52,66.95 10.51,62.25 10.27,60.62 10.27,58.2 7.72,58.2 7.72,60.6 8.3,62.43 8.3,67.9 8.59,69.1 8.59,71.1 9.49,71.1
3V3 on Top: 34.73,32.01 34.9,31.85 34.9,31.41 34.35,28.7 34.35,26.3 33.8,25.75 33.8,25.04 33.5,25.04 33.5,25.75 33.1,26.29 33.1,28.7 31.9,31.4 31.9,31.86 32.05,32.02
GND on Top, Bottom: 144.4,107.8 144.4,0 0,0 0,107.8
VBAT on Top, Bottom: 21.48,21.47 21.5,19.03 19.8,18.6 19.2,18.6 17.5,18.96 17.5,21.32 18.39,22.25 20.65,22.25
VBAT on Top, Bottom: 60.96,28.44 55.55,25.41 55.55,23.44 54.14,20.55 51,20.55 49.09,19.66 48.51,18.94 48.51,17.84 47.91,17.84 47.91,18.94 47.86,19.39 47.86,20.39 47.85,22.45 47.86,25.45 52.21,28.41 52.21,30.42 53.31,30.42 56.96,32.44 60.96,32.44
VIN on Top: 31.17,23.76 32.5,23.76 32.5,23.06 32.7,22.28 32.7,18.5 32.88,17.98 32.88,16.22 31.87,16.22 27.15,16.2 26.5,16.2 26.5,17.2 26.2,18.7 26.2,24.02 27.32,24.6 29.98,24.62
VIN on Bottom: 31.17,23.76 32.5,23.76 32.5,23.06 32.7,22.28 32.71,19.73 32.7,18.85 31.98,18.25 27.14,18.25 26.2,18.7 26.2,24.02 27.32,24.6 29.98,24.62
SW_IN on Top: 24.8,18.35 25.6,17.2 25.6,16.2 24.77,15.32 20.02,15.33 20.02,15.83 20.15,16.3 20.15,17.3 23.8,18.35
VUSB on Top: 18.85,15.29 18.33,14.38 17.87,14.01 17.06,14.01 15.1,14 15.1,16 15.28,16.65 15.28,17.65 15.92,17.65 18.25,17.3 18.85,17.3
Net-(F1-Pad2) on Top: 9.82,17.67 13.3,16 13.3,14 9.94,12.32 6.9,12.28 6.9,12.79 8.05,12.79 10.22,13.9 10.26,16.4 8.05,17.18 6.9,17.18 6.9,17.69 8.05,17.69

## Text on the board
CUT-OUT: CUTOUT
